# Altium PCB Copy of ECU rev B pcb.PcbDoc (part 4 of 5)
Units mm, origin at the board's own origin, x right, y up, seen from the top; angles counter-clockwise.
Board outline 142 x 125.42 mm, 4 copper layers (Top Layer, GND, Power, Bottom Layer), stack 0.603 mm thick; 577 components, 350 nets, 1799 pads, 656 vias.
Unrouted connection lines stored in the file: 28.
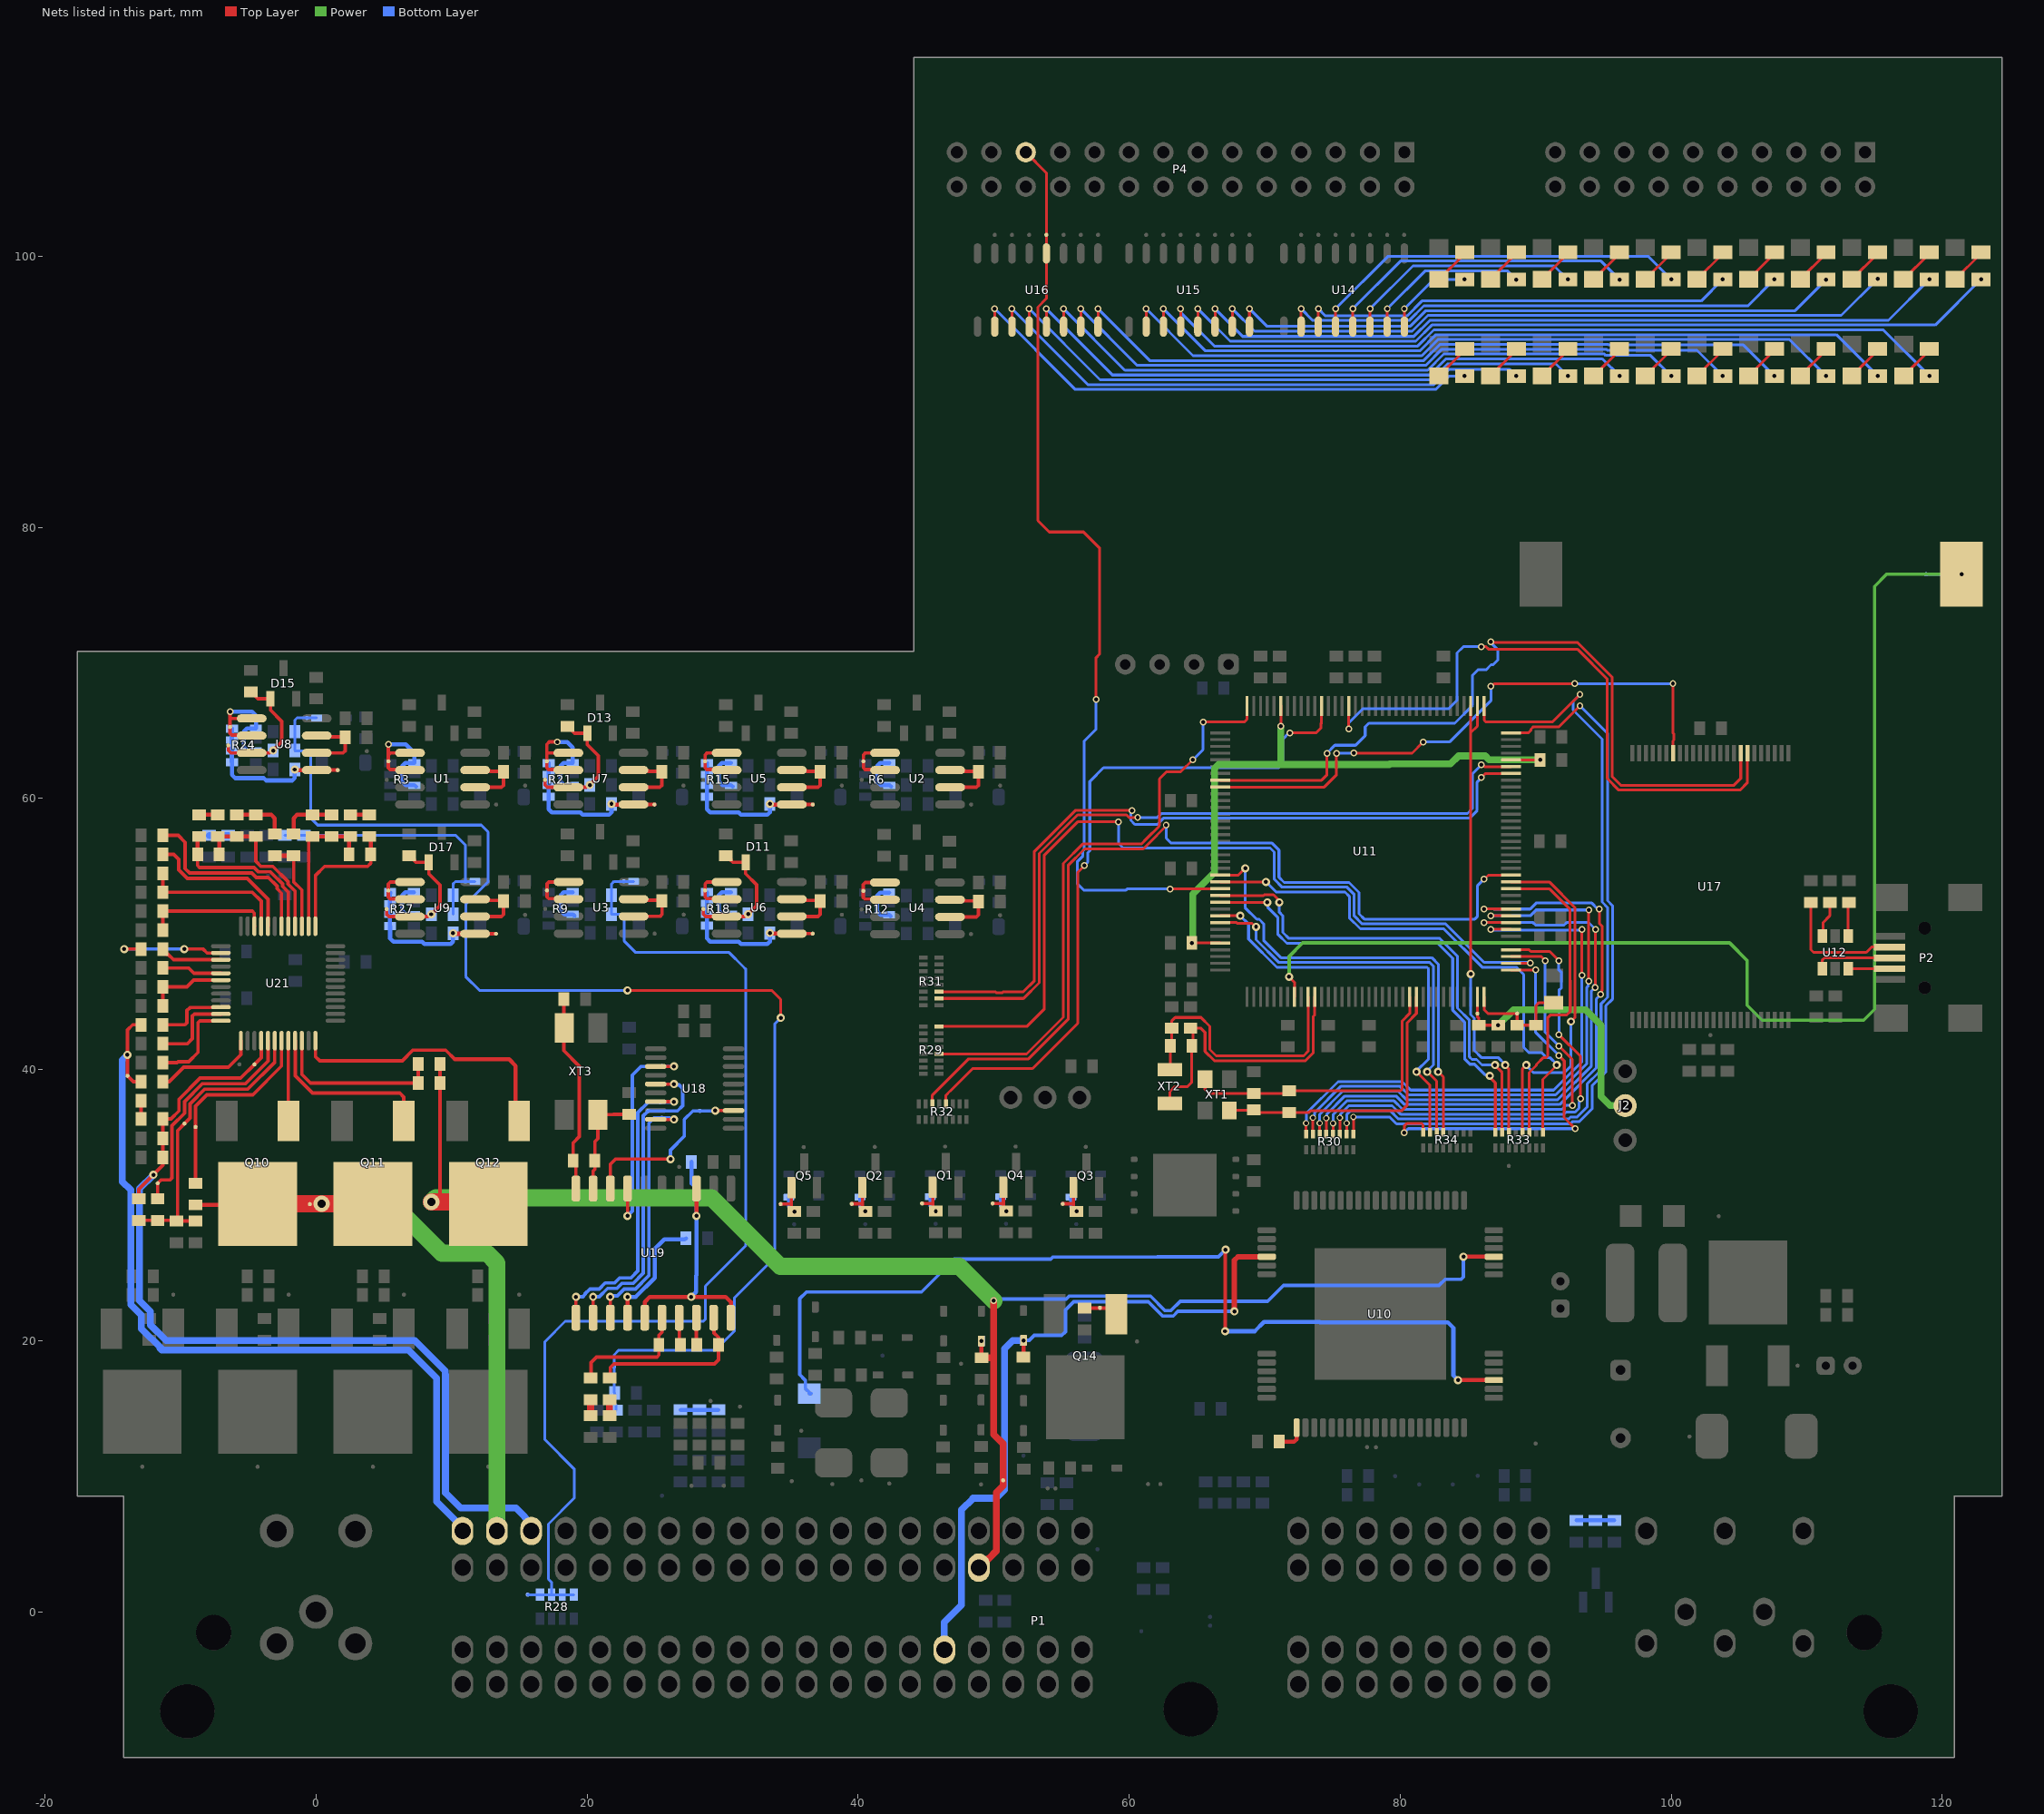
[diagram p6: the nets of this part, all layers, seen from the top]

## Via types
v1: diameter 0.6, hole 0.3, Top Layer to Bottom Layer, tented both sides, 321 vias
v2: diameter 0.5, hole 0.3, Top Layer to Bottom Layer, tented both sides, 275 vias
v3: diameter 0.6, hole 0.4, Top Layer to Bottom Layer, 49 vias
v4: diameter 0.45, hole 0.3, Top Layer to Bottom Layer, tented both sides, 8 vias
v5: diameter 1.2, hole 0.6, Top Layer to Bottom Layer, tented both sides, 2 vias
v6: diameter 0.6, hole 0.3, Top Layer to Bottom Layer, 1 vias

## Nets (pads, with @x,y where several pads share a name; then routed paths per layer and width w, separated by ;. In a path a pad name is that pad's centre, name@x,y a point inside that pad or via, vN(x,y) a via of type N, cw(c..) or ccw(c..) an arc to the next point about the centre after c; other vN are vias at no path point) (continued)
NetC30_2: C30.2 R15.5 R15.6 R15.7 R15.8 TP24.0 U5.5 | length 12.1
  Top Layer w0.254: U5.5@35.106,59.557 TP24.0@36.659,59.557
  Top Layer w0.305: v1(33.487,59.599) 33.529,59.557 U5.5@35.106,59.557
  Bottom Layer w0.305: R15.8@28.843,62.617 28.843,62.524 28.839,62.52 28.839,60.141 R15.5@28.843,60.137 28.843,59.214 29.093,58.964 31.191,58.964 31.361,58.794 33.308,58.794 33.487,58.973 v1(33.487,59.599)
NetC35_2: C35.2 D11.3 R16.2 TP30.0 U6.3 | length 9.6
  Top Layer w0.254: TP30.0@28.585,51.852 28.585,51.471 28.754,51.302 U6.3@30.306,51.302 31.624,51.302 ; C35.2@30.236,55.789 30.336,55.789 30.609,55.516 30.609,55.448 30.758,55.299 D11.3@31.699,55.299 31.699,54.453 32.522,53.63 32.522,52.106 v1(31.887,51.471)
NetC36_2: C36.2 R18.5 R18.6 R18.7 R18.8 TP29.0 U6.5 | length 12.1
  Top Layer w0.254: U6.5@35.106,50.032 TP29.0@36.659,50.032
  Top Layer w0.305: v1(33.487,50.074) 33.529,50.032 U6.5@35.106,50.032
  Bottom Layer w0.305: R18.8@28.843,53.092 28.843,52.999 28.839,52.995 28.839,50.616 R18.5@28.843,50.612 28.843,49.689 29.093,49.439 31.191,49.439 31.361,49.269 33.308,49.269 33.487,49.448 v1(33.487,50.074)
NetC41_2: C41.2 D13.3 R19.2 TP35.0 U7.3 | length 9.6
  Top Layer w0.254: TP35.0@16.901,61.377 16.901,60.996 17.07,60.827 U7.3@18.622,60.827 19.94,60.827 ; C41.2@18.552,65.314 18.652,65.314 18.925,65.041 18.925,64.973 19.074,64.824 D13.3@20.015,64.824 20.015,63.978 20.838,63.155 20.838,61.631 v1(20.203,60.996)
NetC42_2: C42.2 R21.5 R21.6 R21.7 R21.8 TP34.0 U7.5 | length 12.1
  Top Layer w0.254: U7.5@23.422,59.557 TP34.0@24.975,59.557
  Top Layer w0.305: v1(21.803,59.599) 21.845,59.557 U7.5@23.422,59.557
  Bottom Layer w0.305: R21.8@17.159,62.617 17.159,62.524 17.155,62.52 17.155,60.141 R21.5@17.159,60.137 17.159,59.214 17.409,58.964 19.507,58.964 19.677,58.794 21.624,58.794 21.803,58.973 v1(21.803,59.599)
NetC44_2: C44.2 C96.1 R22.1 R88.2 TP36.0 TP117.0 VD8.2 | length 98.3
  Top Layer w0.203: v1(22.987,45.847) 33.624,45.847 34.29,45.181 v1(34.29,43.815)
  Bottom Layer w0.203: VD8.2@0.053,65.949 TP36.0@-0.667,65.949 -1.387,65.949 -1.565,65.771 C44.2@-1.565,64.933 R22.1@-1.565,63.536 -1.529,63.5 -0.762,63.5 -0.381,63.119 -0.381,58.547 0.127,58.039 12.192,58.039 12.7,57.531 12.7,53.848 11.049,52.197 11.049,46.863 12.065,45.847 v1(22.987,45.847) ; R88.2@22.132,14.862 22.132,15.268 22.029,15.371 C96.1@22.029,16.156 22,16.185 TP117.0@22,18.1 22,18.962 22.342,19.304 29.464,19.304 30.861,20.701 30.861,23.139 33.858,26.137 33.858,43.383 v1(34.29,43.815)
NetC47_2: C47.2 D15.3 R22.2 TP40.0 U8.3 | length 9.6
  Top Layer w0.254: TP40.0@-6.467,63.917 -6.467,63.536 -6.298,63.367 U8.3@-4.746,63.367 -3.428,63.367 ; C47.2@-4.816,67.854 -4.716,67.854 -4.443,67.581 -4.443,67.513 -4.294,67.364 D15.3@-3.353,67.364 -3.353,66.518 -2.53,65.695 -2.53,64.171 v1(-3.165,63.536)
NetC48_2: C48.2 R24.5 R24.6 R24.7 R24.8 TP39.0 U8.5 | length 12.1
  Top Layer w0.254: U8.5@0.054,62.097 TP39.0@1.607,62.097
  Top Layer w0.305: v1(-1.565,62.139) -1.523,62.097 U8.5@0.054,62.097
  Bottom Layer w0.305: R24.8@-6.209,65.157 -6.209,65.064 -6.213,65.06 -6.213,62.681 R24.5@-6.209,62.677 -6.209,61.754 -5.959,61.504 -3.861,61.504 -3.691,61.334 -1.744,61.334 -1.565,61.513 v1(-1.565,62.139)
NetC50_2: C50.2 C98.1 R25.1 R91.2 TP41.0 TP119.0 VD9.2 | length 20.2
  Bottom Layer w0.203: R91.2@-2.286,57.277 C98.1@-0.889,57.277 TP119.0@0.131,57.277 10.318,57.277 11.011,56.584 TP41.0@11.011,53.875 ; R25.1@10.113,51.462 C50.2@10.113,52.859 10.113,53.697 10.291,53.875 TP41.0@11.011,53.875 ; VD9.2@11.731,53.875 TP41.0@11.011,53.875
NetC53_2: C53.2 D17.3 R25.2 TP45.0 U9.3 | length 9.6
  Top Layer w0.254: TP45.0@5.211,51.843 5.211,51.462 5.38,51.293 U9.3@6.932,51.293 8.251,51.293 ; C53.2@6.862,55.78 6.962,55.78 7.235,55.507 7.235,55.438 7.384,55.29 D17.3@8.325,55.29 8.325,54.444 9.148,53.621 9.148,52.097 v1(8.513,51.462)
NetC54_2: C54.2 R27.5 R27.6 R27.7 R27.8 TP44.0 U9.5 | length 12.1
  Top Layer w0.254: U9.5@11.732,50.023 TP44.0@13.285,50.023
  Top Layer w0.305: v1(10.113,50.065) 10.155,50.023 U9.5@11.732,50.023
  Bottom Layer w0.305: R27.8@5.469,53.083 5.469,52.99 5.465,52.986 5.465,50.607 R27.5@5.469,50.603 5.469,49.68 5.719,49.43 7.817,49.43 7.987,49.26 9.935,49.26 10.113,49.438 v1(10.113,50.065)
NetC80_1: C80.1 R74.1 | length 1.4
  Top Layer w0.508: C80.1@21.8,14.545 21.723,14.545 21.659,14.609 21.659,15.598 R74.1@21.8,15.739
NetC81_1: C81.1 R76.1 | length 1.4
  Top Layer w0.508: C81.1@20.4,14.327 C81.1@20.262,14.463 20.262,15.511 20.272,15.521 R76.1@20.4,15.521
NetC82_2: C82.2 U19.3 U19.15 U19.20 | length 21.3
  Top Layer w0.305: U19.15@24.26,21.7 24.26,22.863 24.638,23.241 27.559,23.241 30.226,23.241 30.61,22.857 U19.20@30.61,21.7 ; v1(28.067,29.21) 28.067,31.115 28.07,31.118 U19.3@28.07,31.23
  Bottom Layer w0.305: v1(27.686,23.241) 28.042,23.597 28.042,24.806 28.067,24.832 28.067,31.242 27.7,31.609 C82.2@27.7,33.2
NetC83_2: C83.2 R78.1 U19.9 XT3.1 | length 7.9
  Top Layer w0.254: U19.9@20.45,31.23 20.447,31.233 20.447,32.512 20.574,32.639 R78.1@20.574,33.274 20.574,34.671 20.808,34.905 XT3.1@20.808,36.678 21.946,36.678 21.971,36.703 C83.2@23.114,36.703
NetC84_2: C84.2 R78.2 U19.10 XT3.2 | length 14.8
  Top Layer w0.254: C84.2@18.288,45.212 XT3.2@18.288,43.098 ; XT3.2@18.308,43.078 XT3.2@18.288,43.098 ; U19.10@19.18,31.23 19.18,33.068 R78.2@18.974,33.274 18.974,34.595 19.431,35.052 19.431,40.259 18.288,41.402 XT3.2@18.288,43.098
NetC93_2: C93.2 R83.1 R84.1 | length 2.8
  Bottom Layer w0.305: R84.1@93.009,6.745 R83.1@95.803,6.745
NetC95_2: C95.2 R86.2 | length 1.4
  Bottom Layer w0.508: C95.2@-7.874,57.277 R86.2@-6.477,57.277
NetC100_1: C100.1 U21.30 | length 14.2
  Top Layer w0.254: C100.1@-11.303,57.277 -10.16,57.277 -9.652,56.769 -9.652,54.831 -9.33,54.508 -4.731,54.508 -4.401,54.178 -3.517,54.178 -2.87,53.531 -2.87,53.349 -2.544,53.023 U21.30@-2.544,50.58
NetC101_1: C101.1 R93.1 | length 1.4
  Top Layer w0.305: R93.1@-8.636,58.801 C101.1@-7.239,58.801
NetC101_2: C101.2 C103.1 R95.1 R97.1 U21.28 | length 12.5
  Top Layer w0.254: R97.1@-4.445,57.201 -4.445,55.372 -4.064,54.991 -3.181,54.991 -2.057,53.868 -2.057,53.686 -1.544,53.172 U21.28@-1.544,50.58
  Top Layer w0.305: R95.1@-7.136,55.88 -7.136,57.098 C101.2@-7.239,57.201 C103.1@-5.842,57.201 R97.1@-4.445,57.201
NetC102_1: C102.1 R94.1 | length 1.4
  Top Layer w0.305: C102.1@2.54,58.801 R94.1@3.937,58.801
NetC102_2: C102.2 C104.1 R96.1 R98.1 U21.26 | length 10.9
  Top Layer w0.254: U21.26@-0.544,50.58 -0.544,56.928 -0.271,57.201 R98.1@-0.254,57.201
  Top Layer w0.305: R98.1@-0.254,57.201 C102.2@2.54,57.201 2.44,57.101 R96.1@2.44,55.88
NetC103_2: C103.2 C105.2 R97.2 | length 4.1
  Top Layer w0.305: C103.2@-5.842,58.801 R97.2@-4.445,58.801 -3.302,58.801 -3.048,58.547 C105.2@-3.048,57.38
NetC104_2: C104.2 C106.1 R98.2 | length 4.1
  Top Layer w0.305: C106.1@-1.651,57.38 -1.651,58.547 -1.397,58.801 R98.2@-0.254,58.801 C104.2@1.143,58.801
NetC105_1: C105.1 C106.2 U21.27 | length 6.8
  Top Layer w0.254: C106.2@-1.651,55.78 -1.651,53.854 -1.044,53.247 U21.27@-1.044,50.58
  Top Layer w0.305: C105.1@-3.048,55.78 C106.2@-1.651,55.78
NetC108_1: C108.1 R100.1 | length 1.4
  Top Layer w0.254: C108.1@-12.903,36.364 R100.1@-12.903,37.719
NetC109_1: C109.1 R99.2 R101.1 R103.2 TP122.0 U21.6 | length 22.4
  Top Layer w0.254: C109.1@-13.081,28.88 -10.338,28.88 R101.1@-10.287,28.829 ; R99.2@-8.89,28.829 R101.1@-10.287,28.829 ; U21.6@-3.044,42.13 -3.044,40.555 -5.043,38.556 -8.217,38.556 -9.296,37.476 -9.296,36.427 TP122.0@-9.703,36.021 -10.217,35.506 -10.217,28.899 R101.1@-10.287,28.829
NetC123_1: C123.1 U10.1 | length 2.2
  Top Layer w0.305: C123.1@71.061,12.546 72.174,12.546 72.359,12.73 U10.1@72.359,13.589
NetC139_2: C139.2 R110.1 U21.42 | length 5.9
  Top Layer w0.254: C139.2@-11.303,44.704 R110.1@-11.303,46.101 -9.525,46.101 -9.021,46.605 U21.42@-7.019,46.605
NetC140_1: C140.1 U21.38 | length 8.5
  Top Layer w0.254: v1(-14.159,48.895) C140.1@-12.903,48.895 ; v1(-9.726,48.895) -8.329,48.895 -8.039,48.605 U21.38@-7.019,48.605
  Bottom Layer w0.254: v1(-14.159,48.895) v1(-9.726,48.895)
NetC140_2: C140.2 U21.39 | length 4.7
  Top Layer w0.254: C140.2@-11.303,48.895 -11.303,48.795 -11.03,48.522 -10.93,48.522 -10.513,48.105 U21.39@-7.019,48.105
NetC141_1: C141.1 U21.41 | length 4.4
  Top Layer w0.254: C141.1@-11.303,47.498 -9.398,47.498 -9.005,47.105 U21.41@-7.019,47.105
NetC142_1: C142.1 C144.2 L2.1 TP135.0 U11.36 | length 8.6
  Top Layer w0.203: U11.36@86.199,45.377 86.199,44.41 86.463,44.146 TP135.0@88.63,44.146 C142.1@88.63,43.277 C144.2@90.03,43.277 90.03,44.732 90.244,44.946 L2.1@91.33,44.946
NetC143_1: C143.1 C145.2 J2.2 TP137.0 U11.35 | length 19.4
  Top Layer w0.203: U11.35@85.699,45.377 TP137.0@85.699,44.132 85.711,44.12 85.711,43.881 85.813,43.778 C143.1@85.813,43.277 v2(87.23,43.277)
  Power w0.508: v2(87.23,43.277) 88.378,44.425 93.675,44.425 94.818,43.282 94.818,38.027 95.5,37.346 96.594,37.346 J2.2@96.6,37.34
NetC146_2: C146.2 C147.2 U11.68 U11.103 U11.140 | length 46.9
  Top Layer w0.203: v1(64.63,49.346) U11.140@66.73,49.346 ; U11.103@71.199,66.814 U11.103@71.199,66.845 ; v2@71.199,65.346 U11.103@71.199,66.845 ; U11.68@88.168,62.846 v1(90.33,62.846)
  Power w0.254: v1(64.63,49.346) 64.63,49.315 v1@64.7,49.246
  Power w0.508: v1@64.7,49.246 64.7,52.946 66.3,54.546 66.3,62.212 66.598,62.509 71.2,62.509 ; v2(71.2,65.346) 71.2,62.509 ; v1(90.33,62.846) 86.569,62.846 86.272,63.143 84.315,63.143 83.718,62.546 79.233,62.546 79.197,62.509 71.2,62.509
NetC170_2: C170.2 R119.1 R120.1 | length 2.8
  Bottom Layer w0.305: R119.1@26.9,14.9 26.917,14.883 28.283,14.883 R120.1@28.3,14.9 C170.2@29.7,14.9
NetD19_+: D19.1 Q1.1 R43.2 TP65.0 | length 4
  Top Layer w0.254: TP65.0@44.72,30.125 45.512,30.125 ; Q1.1@45.512,31.328 45.512,30.125 ; v1(45.735,29.566) 45.512,29.788 45.512,30.125
  Bottom Layer w0.254: D19.1@45.32,30.625 45.32,29.925 45.72,29.525 45.735,29.54 v1(45.735,29.566)
NetD20_+: D20.1 Q2.1 R45.2 TP68.0 | length 4
  Top Layer w0.254: TP68.0@39.531,30.098 40.323,30.098 ; Q2.1@40.323,31.301 40.323,30.098 ; v1(40.546,29.539) 40.323,29.761 40.323,30.098
  Bottom Layer w0.254: D20.1@40.131,30.598 40.131,29.898 40.531,29.498 40.546,29.513 v1(40.546,29.539)
NetD21_+: D21.1 Q3.1 R47.2 TP71.0 | length 4
  Top Layer w0.254: TP71.0@55.1,30.1 55.892,30.1 ; Q3.1@55.892,31.303 55.892,30.1 ; v1(56.115,29.541) 55.892,29.763 55.892,30.1
  Bottom Layer w0.254: D21.1@55.7,30.6 55.7,29.9 56.1,29.5 56.115,29.515 v1(56.115,29.541)
NetD22_+: D22.1 Q4.1 R49.2 TP74.0 | length 4
  Top Layer w0.254: TP74.0@49.921,30.125 50.713,30.125 ; Q4.1@50.713,31.328 50.713,30.125 ; v1(50.936,29.566) 50.713,29.788 50.713,30.125
  Bottom Layer w0.254: D22.1@50.521,30.625 50.521,29.925 50.921,29.525 50.936,29.54 v1(50.936,29.566)
NetD23_+: D23.1 Q5.1 R51.2 TP77.0 | length 4
  Top Layer w0.254: TP77.0@34.286,30.087 35.078,30.087 ; Q5.1@35.078,31.29 35.078,30.087 ; v1(35.301,29.528) 35.078,29.75 35.078,30.087
  Bottom Layer w0.254: D23.1@34.886,30.587 34.886,29.887 35.286,29.487 35.301,29.502 v1(35.301,29.528)
NetD24_-: D24.1 R52.2 | length 2.7
  Top Layer w0.203: D24.1@82.865,98.297 R52.2@84.77,100.202
NetD25_-: D25.1 R53.2 | length 2.7
  Top Layer w0.203: D25.1@86.66,98.297 R53.2@88.565,100.202
NetD26_-: D26.1 R54.2 | length 2.7
  Top Layer w0.203: D26.1@90.47,98.297 R54.2@92.375,100.202
NetD27_-: D27.1 R55.2 | length 2.7
  Top Layer w0.203: D27.1@94.28,98.297 R55.2@96.185,100.202
NetD28_-: D28.1 R56.2 | length 2.7
  Top Layer w0.203: D28.1@98.09,98.297 R56.2@99.995,100.202
NetD29_-: D29.1 R57.2 | length 2.7
  Top Layer w0.203: D29.1@101.9,98.297 R57.2@103.805,100.202
NetD30_-: D30.1 R58.2 | length 2.7
  Top Layer w0.203: D30.1@105.71,98.297 R58.2@107.615,100.202
NetD31_-: D31.1 R59.2 | length 2.7
  Top Layer w0.203: D31.1@109.52,98.297 R59.2@111.425,100.202
NetD32_-: D32.1 R60.2 | length 2.7
  Top Layer w0.203: D32.1@105.71,91.167 R60.2@107.615,93.072
NetD33_-: D33.1 R61.2 | length 2.7
  Top Layer w0.203: D33.1@113.33,98.297 R61.2@115.235,100.202
NetD34_-: D34.1 R62.2 | length 2.7
  Top Layer w0.203: D34.1@101.9,91.167 R62.2@103.805,93.072
NetD35_-: D35.1 R63.2 | length 2.7
  Top Layer w0.203: D35.1@117.14,98.297 R63.2@119.045,100.202
NetD36_-: D36.1 R64.2 | length 2.7
  Top Layer w0.203: D36.1@98.09,91.167 R64.2@99.995,93.072
NetD37_-: D37.1 R65.2 | length 2.7
  Top Layer w0.203: D37.1@120.95,98.297 R65.2@122.855,100.202
NetD38_-: D38.1 R66.2 | length 2.7
  Top Layer w0.203: D38.1@94.28,91.167 R66.2@96.185,93.072
NetD39_-: D39.1 R67.2 | length 2.7
  Top Layer w0.203: D39.1@117.155,91.167 R67.2@119.06,93.072
NetD40_-: D40.1 R68.2 | length 2.7
  Top Layer w0.203: D40.1@90.47,91.167 R68.2@92.375,93.072
NetD41_-: D41.1 R69.2 | length 2.7
  Top Layer w0.203: D41.1@113.33,91.167 R69.2@115.235,93.072
NetD42_-: D42.1 R70.2 | length 2.7
  Top Layer w0.203: D42.1@86.66,91.167 R70.2@88.565,93.072
NetD43_-: D43.1 R71.2 | length 2.7
  Top Layer w0.203: D43.1@109.52,91.167 R71.2@111.425,93.072
NetD44_-: D44.1 R72.2 | length 2.7
  Top Layer w0.203: D44.1@82.85,91.167 R72.2@84.755,93.072
NetP2_2: P2.2 U12.6 | length 3
  Top Layer w0.203: U12.6@113.05,47.446 P2.2@116.1,47.446
NetP2_3: P2.3 U12.4 | length 5.7
  Top Layer w0.203: U12.4@111.15,47.446 111.15,48.096 111.3,48.246 P2.3@116.1,48.246
NetP2_4: P2.4 R37.2 | length 9.5
  Top Layer w0.203: R37.2@110.3,52.346 110.3,48.846 110.5,48.646 114.4,48.646 114.8,49.046 P2.4@116.1,49.046
NetQ10_1: Q10.1 U21.8 | length 5.7
  Top Layer w0.254: Q10.1@-2.044,36.211 -2.044,41.898 U21.8@-2.032,41.91
NetQ11_1: Q11.1 U21.9 | length 13
  Top Layer w0.254: U21.9@-1.544,42.13 -1.535,42.121 -1.535,39.551 -0.248,38.264 6.184,38.264 6.481,37.967 Q11.1@6.481,36.211
NetQ12_1: Q12.1 U21.12 | length 21
  Top Layer w0.254: U21.12@-0.044,42.13 -0.044,40.97 0.278,40.649 6.365,40.649 7.151,41.435 9.57,41.435 10.245,40.76
  Top Layer w0.305: 10.245,40.76 14.25,40.76 14.732,40.278 14.732,36.469 Q12.1@14.99,36.211
NetQ14_1: Q14.1 R117.1 TP144.0 | length 2.5
  Top Layer w0.254: R117.1@56.7,22.4 58.609,22.4 Q14.1@59.055,21.954
NetR2_1: R2.1 U1.6 U1.7 | length 5.3
  Top Layer w0.254: U1.6@11.738,60.827 13.684,60.827 13.834,60.977 R2.1@13.834,61.97 13.792,62.012 12.86,62.012 12.841,62.031 11.84,62.031 11.821,62.012 U1.7@11.738,62.097 U1.7@11.738,62.097
NetR3_1: R3.1 R3.3 TP2.0 U1.1 U1.2 | length 11.4
  Top Layer w0.254: v2(5.359,64.008) 5.344,63.993 5.344,63.218 ; U1.2@6.938,62.097 6.953,62.097 6.995,62.139 5.471,62.139 5.344,62.266 TP2.0@5.344,62.742 5.344,63.218 ; U1.1@6.938,63.367 5.493,63.367 5.344,63.218
  Bottom Layer w0.305: v2(5.359,64.008) 6.629,64.008 7.245,63.392 R3.1@7.245,62.617 6.584,62.617 6.36,62.393 6.36,61.25 6.633,60.977 R3.3@7.245,60.977 7.268,60.977 R3.3@7.376,60.869
NetR5_1: R5.1 U2.6 U2.7 | length 5.3
  Top Layer w0.254: U2.6@46.79,60.827 48.736,60.827 48.886,60.977 R5.1@48.886,61.97 48.844,62.012 47.912,62.012 47.893,62.031 46.892,62.031 46.873,62.012 U2.7@46.79,62.097 U2.7@46.79,62.097
NetR6_1: R6.1 R6.3 TP7.0 U2.1 U2.2 | length 7.7
  Top Layer w0.254: U2.2@41.99,62.097 42.005,62.097 42.047,62.139 40.523,62.139 40.396,62.266 40.396,63.218 40.545,63.367 U2.1@41.99,63.367
  Bottom Layer w0.305: R6.1@42.297,62.617 41.636,62.617 41.412,62.393 41.412,61.25 41.685,60.977 R6.3@42.297,60.977 42.32,60.977 R6.3@42.428,60.869
NetR8_1: R8.1 U3.6 U3.7 | length 5.3
  Top Layer w0.254: U3.6@23.435,51.305 25.381,51.305 25.531,51.455 R8.1@25.531,52.448 25.489,52.49 24.557,52.49 24.538,52.508 23.537,52.508 23.518,52.49 U3.7@23.435,52.575 U3.7@23.435,52.575
NetR9_1: R9.1 R9.3 TP12.0 U3.1 U3.2 | length 7.7
  Top Layer w0.254: U3.2@18.635,52.575 18.65,52.575 18.692,52.617 17.168,52.617 17.041,52.744 17.041,53.696 17.19,53.845 U3.1@18.635,53.845
  Bottom Layer w0.305: R9.1@18.942,53.095 18.281,53.095 18.057,52.871 18.057,51.728 18.33,51.455 R9.3@18.942,51.455 18.965,51.455 R9.3@19.073,51.347
NetR11_1: R11.1 U4.6 U4.7 | length 5.3
  Top Layer w0.254: U4.6@46.78,51.266 48.726,51.266 48.876,51.416 R11.1@48.876,52.409 48.834,52.451 47.902,52.451 47.883,52.47 46.882,52.47 46.863,52.451 U4.7@46.78,52.536 U4.7@46.78,52.536
NetR12_1: R12.1 R12.3 TP17.0 U4.1 U4.2 | length 7.7
  Top Layer w0.254: U4.2@41.98,52.536 41.995,52.536 42.037,52.578 40.513,52.578 40.386,52.705 40.386,53.657 40.535,53.806 U4.1@41.98,53.806
  Bottom Layer w0.305: R12.1@42.287,53.056 41.626,53.056 41.402,52.832 41.402,51.689 41.675,51.416 R12.3@42.287,51.416 42.31,51.416 R12.3@42.418,51.308
NetR14_1: R14.1 U5.6 U5.7 | length 5.3
  Top Layer w0.254: U5.6@35.106,60.827 37.052,60.827 37.202,60.977 R14.1@37.202,61.97 37.16,62.012 36.228,62.012 36.209,62.031 35.208,62.031 35.189,62.012 U5.7@35.106,62.097 U5.7@35.106,62.097
NetR15_1: R15.1 R15.3 TP22.0 U5.1 U5.2 | length 7.7
  Top Layer w0.254: U5.2@30.306,62.097 30.321,62.097 30.363,62.139 28.839,62.139 28.712,62.266 28.712,63.218 28.861,63.367 U5.1@30.306,63.367
  Bottom Layer w0.305: R15.1@30.613,62.617 29.952,62.617 29.728,62.393 29.728,61.25 30.001,60.977 R15.3@30.613,60.977 30.636,60.977 R15.3@30.744,60.869
NetR17_1: R17.1 U6.6 U6.7 | length 5.3
  Top Layer w0.254: U6.6@35.106,51.302 37.052,51.302 37.202,51.452 R17.1@37.202,52.445 37.16,52.487 36.228,52.487 36.209,52.506 35.208,52.506 35.189,52.487 U6.7@35.106,52.572 U6.7@35.106,52.572
NetR18_1: R18.1 R18.3 TP27.0 U6.1 U6.2 | length 7.7
  Top Layer w0.254: U6.2@30.306,52.572 30.321,52.572 30.363,52.614 28.839,52.614 28.712,52.741 28.712,53.693 28.861,53.842 U6.1@30.306,53.842
  Bottom Layer w0.305: R18.1@30.613,53.092 29.952,53.092 29.728,52.868 29.728,51.725 30.001,51.452 R18.3@30.613,51.452 30.636,51.452 R18.3@30.744,51.344
NetR20_1: R20.1 U7.6 U7.7 | length 5.3
  Top Layer w0.254: U7.6@23.422,60.827 25.368,60.827 25.518,60.977 R20.1@25.518,61.97 25.476,62.012 24.544,62.012 24.525,62.031 23.524,62.031 23.505,62.012 U7.7@23.422,62.097 U7.7@23.422,62.097
NetR21_1: R21.1 R21.3 TP32.0 U7.1 U7.2 | length 11.7
  Top Layer w0.254: 17.028,63.367 U7.1@18.622,63.367 ; v2(17.811,64.18) 17.215,64.18 17.028,63.993 TP32.0@17.028,62.742 17.028,62.266 17.155,62.139 18.679,62.139 18.637,62.097 U7.2@18.622,62.097
  Bottom Layer w0.305: v2(17.811,64.18) 17.831,64.16 18.542,64.16 18.929,63.773 R21.1@18.929,62.617 18.268,62.617 18.044,62.393 18.044,61.25 18.317,60.977 R21.3@18.929,60.977 18.952,60.977 R21.3@19.06,60.869
NetR23_1: R23.1 U8.6 U8.7 | length 5.3
  Top Layer w0.254: U8.6@0.054,63.367 2,63.367 2.15,63.517 R23.1@2.15,64.51 2.108,64.552 1.176,64.552 1.157,64.571 0.156,64.571 0.137,64.552 U8.7@0.054,64.637 U8.7@0.054,64.637
NetR24_1: R24.1 R24.3 TP37.0 U8.1 U8.2 | length 11.3
  Top Layer w0.254: -6.34,65.907 U8.1@-4.746,65.907 ; v2(-6.325,66.421) -6.34,66.406 TP37.0@-6.34,65.282 -6.34,64.806 -6.213,64.679 -4.689,64.679 -4.731,64.637 U8.2@-4.746,64.637
  Bottom Layer w0.305: v2(-6.325,66.421) -4.724,66.421 -4.42,66.116 -4.42,65.278 -4.439,65.259 R24.1@-4.439,65.157 -5.1,65.157 -5.324,64.933 -5.324,63.79 -5.051,63.517 R24.3@-4.439,63.517 -4.416,63.517 R24.3@-4.308,63.409
NetR26_1: R26.1 U9.6 U9.7 | length 5.3
  Top Layer w0.254: U9.6@11.732,51.293 13.678,51.293 13.828,51.443 R26.1@13.828,52.436 13.786,52.478 12.854,52.478 12.835,52.496 11.834,52.496 11.815,52.478 11.732,52.561 U9.7@11.732,52.563
NetR27_1: R27.1 R27.3 TP42.0 U9.1 U9.2 | length 7.7
  Top Layer w0.254: U9.2@6.932,52.563 6.947,52.563 6.989,52.605 5.465,52.605 5.338,52.732 5.338,53.684 5.487,53.833 U9.1@6.932,53.833
  Bottom Layer w0.305: R27.1@7.239,53.083 6.578,53.083 6.354,52.859 6.354,51.716 6.627,51.443 R27.3@7.239,51.443 7.262,51.443 R27.3@7.37,51.335
NetR35_2: R35.2 U12.1 | length 2.5
  Top Layer w0.203: U12.1@113.05,49.846 113.05,52.296 R35.2@113.1,52.346
NetR36_2: R36.2 U12.3 | length 2.8
  Top Layer w0.203: U12.3@111.15,49.846 111.1,49.846 111.2,49.946 111.2,50.846 111.7,51.346 R36.2@111.7,52.346